# Altium PCB MasterBoard (Trapezoid).PcbDoc (part 2 of 2)
Units mil, origin at the board's own origin, x right, y up, seen from the top; angles counter-clockwise.
Board outline 2846.02 x 5000 mil, 4 copper layers (Top Layer, GROUND, POWER, Bottom Layer), stack 23.756 mil thick; 102 components, 58 nets, 332 pads, 94 vias.
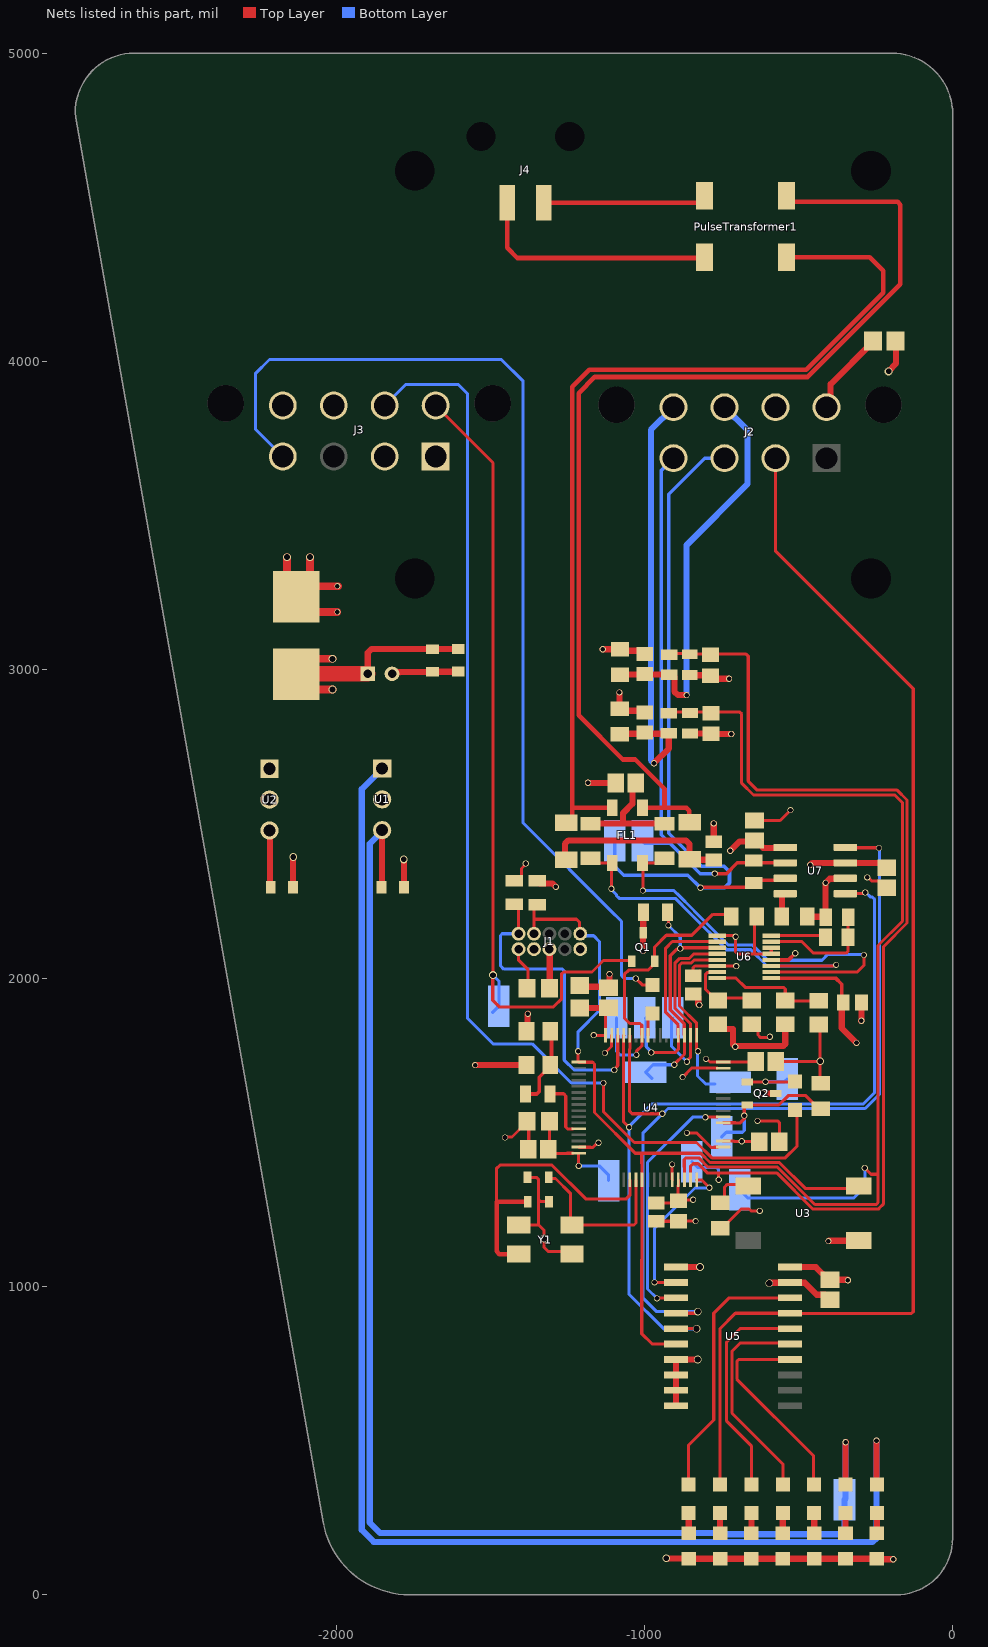
[diagram p4: the nets of this part, all layers, seen from the top]

## Via types
v1: diameter 20, hole 15, Top Layer to Bottom Layer, 78 vias
v2: diameter 25, hole 20, Top Layer to Bottom Layer, 10 vias
v3: diameter 25, hole 18, Top Layer to Bottom Layer, 6 vias

## Nets (pads, with @x,y where several pads share a name; then routed paths per layer and width w, separated by ;. In a path a pad name is that pad's centre, name@x,y a point inside that pad or via, vN(x,y) a via of type N, cw(c..) or ccw(c..) an arc to the next point about the centre after c; other vN are vias at no path point)
12V_Fused: C1.1 C2.1 C4.1 F1.2 R7.2 U1.1 U2.1 | length 5640.4
  Top Layer w10: F1.2@-2178,3034.61 F1.2@-2129,2985.61 ; F1.2@-2165,2949.61 F1.2@-2129,2985.61 ; F1.2@-2080,2936.61 F1.2@-2129,2985.61 ; F1.2@-2079,3035.61 F1.2@-2129,2985.61
  Top Layer w20: C2.1@-1897.37,2987 -1897.37,3055.7 -1885.65,3067.42 C4.1@-1604,3067.42 ; v1(-247,500) -247,358.52 R7.2@-245.48,357
  Top Layer w25: F1.2@-2080,2936.61 v2(-2012,2936.61) ; F1.2@-2079,3035.61 v2(-2012,3035.61)
  Top Layer w50: F1.2@-2126,2987 C2.1@-1897.37,2987
  Bottom Layer w20: U1.1@-1850.29,2680.29 -1850.29,2679.71 -1850.87,2679.71 -1870.27,2660.31 -1870.27,2659.73 -1917,2613 -1917,210 -1878,171 -259.72,171 -247,183.72 v1(-247,500)
AIR_Open_Sig: AIR_OPEN_SIGNAL.1 J3.5 Q1.1 | length 2714.9
  Top Layer w10: J3.5@-1676.94,3857.35 -1491,3671.42 v3(-1491,2010) ; v3@-1492,2010 -1492,1928 -1470.95,1906.95 -1294.55,1906.95 -1268.33,1933.17 -1268.33,2014.14 -1262.47,2020 -1170,2020 -1139,2051 -1139,2051.14 -1133.14,2057 -1043.66,2057 Q1.1@-1041.4,2054.74
  Bottom Layer w10: AIR_OPEN_SIGNAL.1@-1493,1888 AIR_OPEN_SIGNAL.1@-1472,1909 -1472,1991 v3(-1491,2010)
AIRS_Signal_NMOS: "AIR Signal NMOS.1" Q1.2 R16.2 U4.42 | length 953.1
  Top Layer w10: v1(-1026,1751) -1026,1762.35 -1007.78,1780.57 U4.42@-1007.78,1814.35 -1008.45,1815.02 -1008.45,1847.07 -1014.39,1853.01 -1047.15,1853.01 -1065,1870.86 -1065,2012.14 -1051.1,2026.04 -988.41,2026.04 -966.6,2047.85 -966.6,2101.11 -928.71,2139 -846,2139 -778,2207 -731.37,2207 R16.2@-718.37,2194
  Bottom Layer w10: -1090,1871 -1090,1762 -1079,1751 v1(-1026,1751)
CANH: CANH.1 J2.3 R37.2 U7.7 | length 2392.1
  Top Layer w12: v1(-818,2293) -815.84,2293 -813.54,2295.29 -658.09,2295.29 R37.2@-645,2308.39 -635.48,2317.9 -576.14,2317.9 -570.05,2324 U7.7@-543.28,2324
  Bottom Layer w12: CANH.1@-1096,2446 -1096,2363 -1067,2334 -859,2334 v1(-818,2293) -740,2293 -724,2309 -724,2345 -741.87,2362.87 -813.87,2362.87 -921,2470 -921,3570 -804.45,3686.55 J2.3@-740.15,3686.55
CANL: CANL.1 J2.4 R37.1 U7.6 | length 1803.9
  Top Layer w12: v1(-772,2339) -734,2339 -699,2374 -652.61,2374 R37.1@-645,2381.61 -637.39,2374 U7.6@-543.28,2374
  Bottom Layer w12: CANL.1@-1006,2446 -998,2438 -918,2438 ; J2.4@-905.5,3686.55 -905.5,3686.01 -945,3646.51 -945,2465 -918,2438 ; v1(-772,2339) -819,2339 -918,2438
CanRx: U4.44 U5.4 U7.4 | length 2889
  Top Layer w10: U4.44@-1047.15,1814.35 -1047.15,1769.49 -1048.87,1767.77 -1048.87,1682.75 -1047.9,1681.78 -1047.9,1567.9 -1040,1560 v1(-942,1560) ; U5.4@-897,913 -835.73,913 -830.5,918.23 v2(-826.44,918.23) ; U7.4@-348,2424 -347,2423 -240,2423 v1(-239,2422)
  Bottom Layer w10: v2(-826.44,918.23) -960.23,918.23 -1004.87,962.87 -1004.87,1497.13 v1(-942,1560) -940.64,1560 -923.64,1577 -283.79,1577 -238,1622.79 -238,2421 v1(-239,2422)
CanRx_FromBuff: R3.2 U5.16 | length 720
  Top Layer w10: R3.2@-652.84,357 -652.84,482.84 -733,563 -733,820 -690,863 U5.16@-527,863
CanTx: U4.45 U5.5 U7.1 | length 2754.6
  Top Layer w10: U4.45@-1066.83,1814.35 -1067.57,1813.62 -1067.57,1813.24 -1067.57,1534.22 v1(-1049.67,1516.33) ; U5.5@-897,863 -831,863 v2(-830.5,862.5) v2@-830,862 ; U7.1@-348,2274 -290.47,2274 -286.47,2278 v1(-283.76,2278)
  Bottom Layer w10: v1(-1049.67,1516.33) -1049.67,974.67 -937.5,862.5 v2(-830.5,862.5) ; v1@-1047.76,1519.03 -1047.76,1520.94 -1043,1525.71 -1043,1526 -977,1592 -290,1592 -253,1629 -253,2255.64 -260.07,2262.72 -265.77,2262.72 -281.06,2278 v1(-283.76,2278)
CanTx_FromBuff: R4.2 U5.15 | length 702.4
  Top Layer w10: R4.2@-551,357 -551,424 -716,589 -716,790 -690,816 -530,816 U5.15@-527,813
CHANNEL1: C6.1 CHANNEL1.1 R10.1 R11.2 U4.14 | length 3650.6
  Top Layer w10: R11.2@-921,2859.48 -917.48,2863 -854.5,2863 R10.1@-852,2860.5 -849.5,2863 -690.56,2863 -684.7,2857.14 -684.7,2632.7 -646,2594 -188,2594 -163,2569 -163,2185 -242,2106 -242,1364 ; U4.14@-869.98,1345.85 -869.98,1387.1 -870.73,1387.85 -870.73,1411.14 -864.87,1417 -823.43,1417 -793.46,1387.03 -568.24,1387.03 -447.05,1265.84 -247.86,1265.84 -242,1271.7 -242,1364 ; v1(-285,1384) -265,1364 -242,1364
  Bottom Layer w10: CHANNEL1.1@-691,1313 -665,1287 -321,1287 -285,1323 v1(-285,1384)
CHANNEL2: C11.2 CHANNEL2.1 R13.1 R15.2 U4.15 | length 3447.5
  Top Layer w10: R15.2@-919,3049.48 -915.48,3053 -855.5,3053 R13.1@-853,3050.5 -852.5,3051 C11.2@-785,3051 ; U4.15@-850.3,1345.85 -850.97,1346.52 -850.97,1380.59 -851.05,1380.67 -851.05,1388.95 -842,1398 -825.64,1398 -796.24,1368.6 -759,1368.6 ; C11.2@-785,3048.46 C11.2@-785,3051 ; v1(-759,1346) -759,1368.6 ; C11.2@-785,3051 -669.86,3051 -663,3044.14 -663,2639 -634,2610 -180,2610 -148,2578 -148,2178.79 -224,2102.79 -224,1268.49 -239.67,1252.81 -239.67,1250.84 -453.27,1250.84 -571.02,1368.6 -759,1368.6
  Bottom Layer w10: CHANNEL2.1@-846,1405 -827,1386 -766,1386 -759,1379 v1(-759,1346)
ChargeSignal: R35.1 U4.41 | length 77.8
  Top Layer w10: U4.41@-988.09,1814.35 -988.09,1870.15 -988.84,1870.9 R35.1@-974,1885.74
Charging: "Charging Signal.1" Q2.1 R33.1 | length 228.3
  Top Layer w10: Q2.1@-666.26,1663.4 -512.86,1663.4 R33.1@-512,1664.26
  Bottom Layer w10: v1(-607,1664) -546,1664 -537,1673
CS_CHANNEL1: C7.2 J2.8 R9.1 R11.1 | length 1467.5
  Top Layer w20: R9.1@-1080,2790.63 -1078.05,2792.57 -922.95,2792.57 R11.1@-921,2794.52 -921,2744.87 v1(-968.87,2697)
  Bottom Layer w20: v1(-968.87,2697) -979,2707.13 -979,3778.41 J2.8@-905.5,3851.91
CS_CHANNEL2: C10.1 J2.7 R12.1 R15.1 | length 1309
  Top Layer w20: R12.1@-1079,2984.63 -1078.95,2984.57 -919.05,2984.57 R15.1@-919,2984.52 ; R15.1@-909.16,2984.52 -902.43,2977.79 -902.43,2929.72 -890.71,2918 v1(-863,2918)
  Bottom Layer w20: v1(-863,2918) -863,3405 -665,3603 -665,3776.76 J2.7@-740.15,3851.91
GND: C1.2 C2.2 C3.2 C4.2 C5.2 C6.2 C7.1 C8.2 C9.2 C10.2 C11.1 C12.1 C13.1 C14.1 C15.2 C16.1 C17.1 C18.2 C19.1 C20.1 C21.1 C22.1 C23.1 C24.1 C25.1 C26.1 C27.2 C28.2 D1.1 D2.1 D3.1 D4.1 D5.1 D6.1 D7.1 J1.3 J1.5 J1.9 J2.6 J3.7 J3.8 R9.2 R10.2 R12.2 R13.2 R14.1 R16.1 R20.2 R23.2 R25.2 R26.1 R34.1 R36.2 U1.2 U2.2 U3.4 U4.12 U4.18 U4.31 U4.47 U4.63 U5.1 U5.7 U5.8 U5.9 U5.10 U5.19 U6.1 U6.13 U6.14 U7.2 Y1.2 Y1.4 | length 5837
  Top Layer w10: v1(-1452,1483) -1450.09,1484.91 -1429.54,1484.91 -1380.47,1533.98 C15.2@-1380.47,1536 -1375,1530.53 -1375,1446.48 C14.1@-1376.48,1445 ; Y1.4@-1407.61,1199.24 -1342.24,1199.24 ; C28.2@-1378.07,1352.93 -1348.93,1352.93 -1343.07,1347.07 -1343.07,1280.93 ; C27.2@-1309.62,1274.93 -1337.07,1274.93 -1343.07,1280.93 ; Y1.2@-1232.14,1107 Y1.2@-1234.39,1104.76 -1242.63,1113 -1311,1113 -1326,1128 v2(-1326,1155.5) -1326,1183 -1342.24,1199.24 ; U4.63@-1212.5,1452.15 -1211.83,1451.48 -1175.38,1451.48 -1174.94,1451.05 -1166.66,1451.05 -1151.71,1466 v1(-1149,1466) ; v1(-1128,1757) -1106.87,1778.13 -1106.87,1813.69 U4.47@-1106.2,1814.35 ; C16.1@-961,1211.47 -890.06,1211.47 C17.1@-890,1211.54 -889.54,1212 v1(-834,1212) ; v1(-910.1,1395.9) -910.1,1370.9 -910.02,1370.82 -910.02,1346.52 U4.12@-909.35,1345.85 ; v1(-876,1679) -846.94,1708.06 U4.31@-762.62,1708.06 ; v1(-862,1498) -831,1498 -784.05,1451.05 -774.05,1451.05 -773.61,1451.48 U4.18@-762.62,1451.48 ; U6.1@-763.6,2137.9 -710.6,2137.9 -706.71,2134 v1(-704,2134) -704,2085 -697.84,2078.84 -643.12,2078.84 ; R23.2@-652,1850.57 -631.72,1830.29 -631.72,1815.72 -624.09,1808.09 -594.91,1808.09 v1(-593,1810) ; C24.1@-643,2511.48 -559.52,2511.48 v1(-526,2545) ; R16.1@-635.63,2200 -643.12,2192.51 -643.12,2078.84 ; v1(-633,1537) -567.9,1537 -562.04,1531.14 C12.1@-562.04,1469 ; U6.14@-588.4,2098.53 U6.13@-588.4,2078.84 -643.12,2078.84 ; C13.1@-573.52,1730 -447.62,1730 ; -444.14,1730 -447.61,1730 ; R25.2@-434,1849.57 -430,1845.57 v3(-430,1730) ; R34.1@-428,1659.37 -430,1661.37 v3(-430,1730) ; v1(-277.29,2327) -274.59,2327 -262.68,2315.09 -235.57,2315.09 C23.1@-214,2293.52 ; -1343.07,1280.93 -1343.07,1200.07 -1342.24,1199.24 ; -447.62,1730 v3(-430,1730)
  Top Layer w20: C5.2@-2139.58,2295 -2139.58,2392.42 v3(-2139,2393) ; C2.2@-1818.63,2987 -1813.36,2992.27 -1794.44,2992.27 -1793.13,2993.58 C1.2@-1687,2993.58 -1686.5,2994.08 -1604.5,2994.08 C4.2@-1604,2994.58 ; v3(-1781,2385) -1779.58,2383.58 C3.2@-1779.58,2295 ; v1(-1549,1718) R20.2@-1382.43,1718 R20.2@-1378.43,1718 ; R14.1@-1342.63,2320.76 R14.1@-1348,2315.39 -1339.3,2306.68 -1297.68,2306.68 v1(-1287,2296) ; J1.5@-1308,2094 -1307,2093 -1307,1968 C8.2@-1306,1967 ; C18.2@-1210,1975.47 -1206.51,1971.97 -1129.55,1971.97 -1124.52,1977 C19.1@-1116,1968.48 ; v1(-1183,2634) -1182,2633 C26.1@-1093.48,2633 ; v1(-1135,3067) -1075,3067 R12.2@-1060.88,3081.12 ; C19.1@-1116,1977 -1113,1980 v1(-1113,2013) ; v1(-1081,2927) -1081,2874.37 R9.2@-1080,2873.37 ; R12.2@-1079,3067.37 R12.2@-1074.63,3067.37 ; R9.2@-1073.11,2880.27 -1060.31,2867.47 -1004.9,2867.47 C7.1@-999,2861.57 ; R12.2@-1060.31,3080.47 -1060.31,3063.03 -1059.31,3062.03 -1009.46,3062.03 C10.2@-999,3051.57 ; v3(-929,118) -928.2,117.2 -856.8,117.2 D1.1@-856,116.4 D2.1@-754.33,116.4 D3.1@-652.67,116.4 D4.1@-551,116.4 D5.1@-449.33,116.4 D6.1@-347.67,116.4 D7.1@-246,116.4 -244.6,115 v1(-193,115) ; U5.10@-897,613 U5.9@-897,663 U5.8@-897,713 U5.7@-897,763 v2(-827,763) ; U5.1@-897,1063 U5.1@-897,1063 -819.81,1062.96 v2(-819.78,1062.92) ; R13.2@-853,2983.5 -852.02,2982.52 C11.1@-785.98,2982.52 ; R10.2@-852,2793.5 -851.52,2793.02 -784.48,2793.02 -783.46,2792 v1(-718,2792) ; C22.1@-842,1948.47 -836.09,1948.47 -825.43,1937.8 -825.43,1916.43 v1(-822,1913) ; C11.1@-785,2981.54 C11.1@-785.98,2982.52 ; C25.1@-775,2442.53 v1(-775,2502) ; v1(-725,2971) -774.46,2971 C11.1@-785.98,2982.52 ; v2(-595,1010.5) -593.65,1010.5 -592.15,1012 U5.19@-527,1012 ; U5.19@-527,1013 -526,1012 -480,1012 -441.02,973.02 -414.5,973.02 C20.1@-398,956.52 ; R36.2@-471.3,2200 -470.3,2199 -412.42,2199 R26.1@-412,2198.58 ; R26.1@-411.42,2198 R26.1@-412,2198.58 ; v1(-403,1147) -401.58,1148.42 U3.4@-304.87,1148.42 U3.4@-288,1131.55 ; U7.2@-348,2324 -349.61,2322.39 -398.61,2322.39 v1(-412,2309) R26.1@-412,2198.58 ; v1@-297,1861 v1(-296.24,1861.76) -295.47,1862.53 C21.1@-295.47,1921 ; v3(-208,3968) -208,3969.35 -184,3993.35 -184,4065.45 C9.2@-185.55,4067
HEARTBEAT: R1.2 U5.18 | length 858.5
  Top Layer w10: R1.2@-856.52,357 -856.52,485.48 -775,567 -775,913 -725,963 U5.18@-527,963
HEARTBEAT_BUFF: U4.16 U5.2 | length 532.8
  Top Layer w10: v1@-968.23,1014.23 v1(-967,1013) U5.2@-897,1013 U5.2@-896.77,1013.23 ; U4.16@-830.61,1345.85 -830.61,1345 -814,1345 v1(-789,1320)
  Bottom Layer w10: v1(-967,1013) -967,1188.35 -835.87,1319.48 -789.52,1319.48 v1(-789,1320)
IM: FL1.2 R31.1 U6.10 | length 1330.6
  Top Layer w10: v1(-1005,2284) -1005,2372.65 FL1.2@-1005.79,2373.43 -949.46,2373.43 R31.1@-934,2388.9 ; U6.10@-588.4,2019.79 -309.21,2019.79 -288,2041 v1(-288,2075)
  Bottom Layer w10: v1(-1005,2284) -904,2284 -894,2274 -893.79,2274 -839,2219.21 -839,2219 -727,2107 -648.79,2107 -599.91,2058.13 -500.9,2058.13 -500.77,2058 -424,2058 -405,2077 -297.07,2077 -296.98,2076.91 -289.91,2076.91 v1(-288,2075)
IM_Out_Connector: J4.2 PulseTransformer1.3 | length 534.1
  Top Layer w15: J4.2@-1326.94,4514.65 -824.5,4514.65 -804.5,4534.65 PulseTransformer1.3@-804.5,4538
IP: FL1.1 R29.2 U6.11 | length 1212
  Top Layer w10: R29.2@-1175.46,2388.9 -1159.99,2373.43 FL1.1@-1104.21,2373.43 -1107,2370.65 v1(-1107,2290) ; U6.11@-588.4,2039.47 -388.6,2039.47 -386.98,2041.09 -379.91,2041.09 v1(-378,2043)
  Bottom Layer w10: v1(-1107,2290) -1107,2287.29 -1090.94,2271.24 -1090.94,2267.94 -1082,2259 -900,2259 -854,2213 -854,2212.79 -733.21,2092 -655,2092 -602.47,2039.47 -388.6,2039.47 -386.98,2041.09 -379.91,2041.09 v1(-378,2043)
IP_Out_Connector: J4.1 PulseTransformer1.4 | length 800.7
  Top Layer w15: J4.1@-1445.06,4514.65 -1445.06,4369.06 -1412,4336 -806.5,4336 PulseTransformer1.4@-804.5,4338
MISO: R27.1 TP_MISO.1 U4.35 U6.3 | length 816.3
  Top Layer w10: R27.1@-924.63,2214 -922,2211.37 v1(-922,2171) ; v1(-903,1719) -903,1720.35 -869.98,1753.36 U4.35@-869.98,1814.35 -870.65,1815.02 -870.65,1851.65 -916,1897 -916,2072.64 -894.56,2094.08 -885.49,2094.08 v1(-883.58,2096) ; v1@-883.49,2097.91 -878.96,2097.91 -878.34,2098.53 U6.3@-763.6,2098.53
  Bottom Layer w10: TP_MISO.1@-975,1674 TP_MISO.1@-996,1695 -972,1719 v1(-903,1719) ; v1(-922,2171) -883.58,2132.58 v1(-883.58,2096)
NetC25_2: C25.2 R30.1 R32.2 | length 596.5
  Top Layer w20: R30.1@-1253,2383.92 -1258,2388.92 -1258,2435.28 -1246.28,2447 -865.72,2447 -854,2435.28 -854,2385.92 R32.2@-853,2384.92 -852.28,2384.2 -775.72,2384.2 C25.2@-775,2383.47
NetC26_2: C26.2 R29.1 R31.2 | length 390.1
  Top Layer w20: R29.1@-1175.46,2501.1 -1068.9,2501.1 ; C26.2@-1028.52,2633 -1039.09,2622.43 -1039.09,2565.49 -1068.9,2535.69 -1068.9,2501.1 ; R31.2@-934,2501.1 -1068.9,2501.1
"NetCharging Signal NMOS_1": "Charging Signal NMOS.1" Q2.2 R34.2 U4.22 | length 523.4
  Top Layer w10: U4.22@-744,1530.89 -705.18,1530.89 -704.08,1529.79 -690.21,1529.79 -676,1544 v1(-676,1554) -676,1582.74 -670.14,1588.6 Q2.2@-666.26,1588.6 -564,1588.6 -533.6,1619 -476.31,1619 -433.94,1576.63 R34.2@-428,1576.63
  Bottom Layer w10: -749,1485 -734,1500 -681.86,1500 -676,1505.86 v1(-676,1554)
NetD1_2: D1.2 R1.1 | length 65.6
  Top Layer w20: R1.1@-856.52,264.48 -856.26,264.22 -856.26,199.34 D1.2@-856,199.08
NetD2_2: D2.2 R2.1 | length 65.5
  Top Layer w20: R2.1@-754.68,264.48 -754.51,264.31 -754.51,199.25 D2.2@-754.33,199.08
NetD3_2: D3.2 R3.1 | length 65.5
  Top Layer w20: R3.1@-652.84,264.48 -652.75,264.39 -652.75,199.16 D3.2@-652.67,199.08
NetD4_2: D4.2 R4.1 | length 65.4
  Top Layer w20: D4.2@-551,199.08 R4.1@-551,264.48
NetD5_2: D5.2 R5.1 | length 65.5
  Top Layer w20: D5.2@-449.33,199.08 -449.25,199.16 -449.25,264.39 R5.1@-449.16,264.48
NetD6_2: D6.2 R6.1 | length 65.5
  Top Layer w20: D6.2@-347.67,199.08 -347.49,199.25 -347.49,264.31 R6.1@-347.32,264.48
NetD7_2: D7.2 R7.1 | length 65.6
  Top Layer w20: D7.2@-246,199.08 -245.74,199.34 -245.74,264.22 R7.1@-245.48,264.48
NetF1_1: F1.1 J3.1 J3.2 | length 625.9
  Top Layer w10: F1.1@-2080.21,3187.61 F1.1@-2129,3236.39 ; F1.1@-2129,3236.39 -2129,3259.61 -2171,3301.61 -2171,3278.39 F1.1@-2129,3236.39
  Top Layer w25: F1.1@-2171,3301.61 -2164.75,3301.61 -2159,3307.36 v2(-2159,3365.61) ; F1.1@-2129,3236.39 -2093.79,3271.61 v1@-1994,3271.61 ; F1.1@-2085,3280.39 v2(-2085,3365.61) ; F1.1@-2080.21,3187.61 v1(-1996,3187.61)
  other v1: -1996,3271.61
NetFL1_3: FL1.3 PulseTransformer1.2 R32.1 | length 3507.8
  Top Layer w10: R32.1@-854,2506.08 R32.1@-853,2505.08
  Top Layer w15: FL1.3@-1005.79,2552.57 -934.68,2552.57 ; R32.1@-854,2506.08 -854,2543 -863.57,2552.57 -934.68,2552.57 ; PulseTransformer1.2@-539.5,4538 -519.5,4518 -178.79,4518 -170,4509.21 -170,4250.22 -470.11,3950.11 -1160.89,3950.11 -1213.51,3897.49 -1213.51,2853.02 -1069.69,2709.2 -1029.96,2709.2 -934.68,2613.92 -934.68,2552.57
NetFL1_4: FL1.4 PulseTransformer1.1 R30.2 | length 3090
  Top Layer w10: R30.2@-1253,2504.08 R30.2@-1250.08,2507
  Top Layer w15: R30.2@-1250.08,2507 -1249.79,2507 -1233.51,2523.28 -1233.51,2552.57 ; FL1.4@-1104.21,2552.57 -1233.51,2552.57 ; PulseTransformer1.1@-539.5,4338 -269,4338 -225,4294 -225,4223.51 -474.75,3973.75 -1178.25,3973.75 -1233.51,3918.49 -1233.51,2552.57
NetJ3_4: J3.4 R35.2 | length 3401.5
  Top Layer w10: v1(-1028,1999) -1007.26,1978.26 R35.2@-974,1978.26 R35.2@-970,1982.26
  Bottom Layer w10: J3.4@-2173,3692 -2262,3781 -2262,3961 -2216,4007 -1464,4007 -1393.12,3936.12 -1393.12,2503.12 -1094,2204 -1093.86,2204 -1074,2184.14 -1074,2008 -1065,1999 v1(-1028,1999)
NetJ3_6: J3.6 R33.2 | length 3780.2
  Top Layer w10: v1(-1133,1660) -1133,1567.3 -1032.65,1466.95 -830.95,1466.95 -781.03,1417.03 -542.78,1417.03 -505.64,1454.17 -505.64,1565.38 R33.2@-512,1571.74
  Bottom Layer w10: J3.6@-1842.29,3857.35 -1774.65,3925 -1603,3925 -1574,3896 -1574,1870 -1491,1787 -1364,1787 -1237,1660 v1(-1133,1660)
NetR17_1: R17.1 U3.1 | length 139.3
  Top Layer w10: R17.1@-754,1271.37 -740,1285.37 -740,1322 -731,1331 -668.55,1331 U3.1@-663.13,1325.58
NetR18_1: R18.1 U4.60 | length 182.8
  Top Layer w10: R18.1@-1306.63,1624 -1305.63,1625 -1262.03,1625 -1255,1617.97 -1255,1517.13 -1247.97,1510.1 -1239.69,1510.1 -1239.25,1510.54 U4.60@-1231.13,1510.54
NetR18_2: R18.2 R19.1 R20.1 | length 260.1
  Top Layer w12: R18.2@-1385.37,1624 -1349.26,1624 -1340.77,1632.49 -1340.77,1678.82 R20.1@-1301.59,1718 ; R19.1@-1302,1828 -1301.57,1827.57 R20.1@-1301.57,1718
NetR21_1: R21.1 R26.2 U6.15 | length 378.2
  Top Layer w10: U6.15@-588.4,2118.21 -488.61,2118.21 -451.4,2081 -345.44,2081 -339.58,2086.86 -339.58,2197 R26.2@-338.58,2198
NetR21_2: R21.2 U6.16 | length 178.4
  Top Layer w10: U6.16@-588.4,2137.9 -418.31,2137.9 R21.2@-412.42,2132
NetR22_1: R22.1 R23.1 U6.7 | length 261.4
  Top Layer w10: U6.7@-763.6,2019.79 -765.49,2017.9 -796.28,2017.9 -802.14,2012.04 -802.14,1964.59 -764.98,1927.43 R22.1@-761,1927.43 -753,1935.43 -660,1935.43 R23.1@-652,1927.43
NetR24_1: R24.1 R25.1 U6.8 | length 381.6
  Top Layer w10: U6.8@-763.6,2000.1 -703.1,2000.1 -673,1970 -548.86,1970 -543,1964.14 R24.1@-543,1927.43 -542,1926.43 R25.1@-434,1926.43
NetR36_1: R36.1 U7.8 | length 83.8
  Top Layer w20: R36.1@-554.04,2200 -554.04,2272.39 -552.43,2274 U7.8@-543.28,2274
NetTP_CS_1: TP_CS.1 U4.33 U6.5 | length 581.7
  Top Layer w10: v1(-826,1763) -826,1765.71 -830.61,1770.32 -830.61,1854.04 -886,1909.43 -886,2042.14 -878.93,2049.21 -847.61,2049.21 -837.67,2059.16 U6.5@-763.6,2059.16
  Bottom Layer w10: v1(-826,1763) -827.65,1761.35 -827.65,1682.69 -801.96,1657 TP_CS.1@-771,1657
NetTP_MOSI_1: TP_MOSI.1 U4.36 U6.2 | length 734.1
  Top Layer w10: v1(-978,1759) -899.86,1759 -889.67,1769.19 U4.36@-889.67,1814.35 -890.34,1815.02 -890.34,1848.34 -931,1889 -931,2096.99 -909.12,2118.87 -764.26,2118.87 U6.2@-763.6,2118.21
  Bottom Layer w10: TP_MOSI.1@-997,1871 -994,1868 -994,1777.71 -978,1761.71 v1(-978,1759)
NetTP_SCK_1: TP_SCK.1 U4.34 U6.4 | length 659
  Top Layer w10: v1@-863,1729 -863,1730.71 -857,1736.71 -850.52,1743.19 -850.52,1759.12 -850.3,1759.34 U4.34@-850.3,1814.35 -850.76,1814.82 -850.76,1852.98 -901,1903.21 -901,2048.36 -885.14,2064.21 -853.83,2064.21 -839.2,2078.84 U6.4@-763.6,2078.84
  Bottom Layer w10: TP_SCK.1@-908,1870 -912,1866 -912,1779 v1(-862,1729)
OSC_IN: C27.1 U4.5 Y1.1 | length 1038.7
  Top Layer w10: -1476,1275.21 -1480,1279.21 -1480,1382 -1468,1394 -1300,1394 -1189,1283 -1060,1283 -1047.15,1295.85 U4.5@-1047.15,1345.85
  Top Layer w15: -1476,1275.21 -1435.27,1275.21 ; Y1.1@-1407.61,1104.76 -1470.21,1104.76 -1479,1113.54 -1479,1275 -1435.27,1275 -1378.59,1275 C27.1@-1378.52,1274.93 -1378.52,1280.83 C27.1@-1383.82,1286.13
OSC_OUT: C28.1 U4.6 Y1.3 | length 546.4
  Top Layer w10: C28.1@-1310.17,1353.93 -1306.48,1350.24 -1288.24,1350.24 -1239,1301 -1239,1203.86 Y1.3@-1234.39,1199.24 -1034.07,1199.24 -1027.46,1205.85 U4.6@-1027.46,1345.85
RESET: J1.4 J1.10 R14.2 U3.2 U4.7 U4.49 U5.6 | length 2670.5
  Top Layer w10: J1.4@-1358,2144 -1358,2185.14 ; R14.2@-1348,2238.61 -1358,2228.61 -1358,2185.14 ; v1(-1215,1763) -1215,1728.41 -1214.33,1727.74 U4.49@-1212.5,1727.74 -1212.07,1727.31 -1167.86,1727.31 -1162,1721.45 -1162,1564 -1030,1432 -1008.53,1432 ; J1.10@-1208,2144 -1210.5,2146.5 -1210.5,2181.5 -1220,2191 -1352.14,2191 -1358,2185.14 ; U5.6@-897,813 -975,813 -1008.53,846.53 -1008.53,1086.84 -1007.78,1087.59 -1007.78,1397.53 -1008.53,1398.28 -1008.53,1432 ; U3.2@-304.87,1325.58 -313.45,1317 -477,1317 -562.03,1402.03 -787.24,1402.03 -817.21,1432 -1008.53,1432
  Bottom Layer w10: v1(-1215,1763) -1215,1826 -1146,1895 -1146,2119 -1164.5,2137.5 -1201.5,2137.5 J1.10@-1208,2144
RESET_FromBuff: R5.2 U5.14 | length 679.5
  Top Layer w10: U5.14@-527,763 -694.14,763 -700,757.14 -700,699.14 -451,450.14 -451,358.84 R5.2@-449.16,357
SHUTDOWN: J2.2 R2.2 U5.17 | length 4110.2
  Top Layer w10: R2.2@-754.68,357 -754.68,863.11 -704.79,913 -661,913 U5.17@-527,913 -526,912 -133.86,912 -128,917.86 -128,2939 -575,3386 -575,3686.34 J2.2@-574.79,3686.55
SHUTDOWN_BUFF: U4.23 U5.3 | length 805.2
  Top Layer w10: v1(-959.23,961.23) -958.35,962.12 -897.88,962.12 U5.3@-897,963 ; v1(-802,1549) -801.76,1549.24 -774,1549.24 -773.33,1549.91 U4.23@-762.62,1549.91
  Bottom Layer w10: v1(-959.23,961.23) -989.87,991.87 -989.87,1402.47 -843.35,1549 v1(-802,1549)
SWDIO: J1.2 R8.1 U4.46 | length 1060.3
  Top Layer w10: R8.1@-1422,2239.61 R8.1@-1412.35,2239.61 ; J1.2@-1408,2144 R8.1@-1408,2239.61 ; v1(-1098,1702) -1098,1704.71 -1086.52,1716.19 U4.46@-1086.52,1814.35
  Bottom Layer w10: J1.2@-1408,2144 -1461.14,2144 -1467,2138.14 -1467,2040 -1456,2029 -1265.86,2029 -1260,2023.14 -1260,1734 -1228,1702 v1(-1098,1702)
VCC_3.3V: C5.1 C8.1 C12.2 C13.2 C14.2 C15.1 C16.2 C17.2 C18.1 C19.2 C22.2 C24.2 J1.1 Q1.3 Q2.3 R8.2 R17.2 R19.2 R27.2 U2.3 U4.13 U4.19 U4.32 U4.48 U4.64 U6.6 U7.5 VCC_3.3V.1 | length 2244
  Top Layer w10: R8.2@-1422,2316.39 -1412.16,2316.39 -1398.46,2330.09 -1398.46,2355.84 -1385,2369.29 v1(-1385,2372) ; J1.1@-1408,2094 -1408,2058 -1377,2027 -1377,1970.47 C8.1@-1380.47,1967 ; C15.1@-1307.53,1536 -1307.53,1448.99 C14.2@-1311.52,1445 -1297.65,1431.13 -1251.87,1431.13 -1251.13,1431.87 U4.64@-1231.13,1431.87 ; U4.64@-1213.25,1431.8 -1213.25,1391.25 v1(-1213,1391) ; v1(-1164.07,1815.13) -1163.3,1814.35 U4.48@-1125.89,1814.35 -1125.89,1892.13 -1126.64,1892.88 -1116.49,1903.03 C19.2@-1116,1903.52 ; C16.2@-961,1270.53 -897.94,1270.53 C17.2@-887.46,1281 ; U4.13@-889.67,1345.85 -889.67,1327.9 -890.42,1327.15 -890.42,1283.95 C17.2@-887.46,1281 ; v1(-842,1281) C17.2@-887.46,1281 ; C22.2@-822.16,2023.2 -837.83,2007.53 C22.2@-842,2007.53 -842,2033.61 -836.14,2039.47 U6.6@-763.6,2039.47 -702.47,2039.47 v1(-702,2039) ; v1(-800,1738) -797.29,1738 -787.03,1727.74 -640.74,1727.74 C13.2@-638.48,1730 ; R17.2@-754,1188.63 -748.06,1188.63 -685.69,1251 -660.2,1251 -654.2,1245 v1(-626,1245) ; U4.19@-744,1471.83 -743.33,1471.17 -709.7,1471.17 -709.27,1470.73 -628.73,1470.73 C12.2@-627,1469
  Top Layer w20: U2.3@-2216,2479 -2214.21,2477.21 -2214.21,2296.79 C5.1@-2212.42,2295 ; R19.2@-1378.86,1828 -1378.86,1883.14 v1@-1377,1885 ; C18.1@-1210,1902.53 -1209.51,1903.03 C19.2@-1116.49,1903.03 ; C19.2@-1126.64,1892.88 C19.2@-1116,1903.52 ; v1(-1004,2088) Q1.3@-1004,2147.26 -1003.68,2147.57 -1003.68,2213.69 R27.2@-1003.37,2214 ; v1(-721.73,2413.27) -691.8,2443.2 -646.32,2443.2 C24.2@-643,2446.52 ; C24.2@-639.06,2446.52 -614.93,2422.39 U7.5@-543.28,2422.39 ; v1(-617,1627) -616,1626 Q2.3@-573.74,1626
  Bottom Layer w10: v1(-1213,1391) -1146.04,1391 -1116,1360.96 VCC_3.3V.1@-1116,1343
  other v1: -684.27,1470.73 -1377.93,1884.07
VCC_5V: C3.1 C9.1 C20.2 C21.2 C23.2 J2.5 R6.2 R22.2 R24.2 U1.3 U5.20 U6.9 U6.12 U7.3 VCC_5V.1 | length 6061.7
  Top Layer w12: U6.9@-588.4,2000.1 -380.1,2000.1 -360,1980 C21.2@-360,1915.53 ; U6.12@-588.4,2059.16 -532.22,2059.16 v1(-510.38,2081)
  Top Layer w20: C3.1@-1852.42,2295 -1851.5,2295.92 -1851.5,2479.08 U1.3@-1850.58,2480 ; R22.2@-761,1850.57 -745.29,1834.86 -712.9,1834.86 -712.9,1784.95 v1(-705.48,1777.52) -703,1780 -549.02,1780 -543,1786.02 R24.2@-543,1850.57 ; U5.20@-527,1063 -443.46,1063 -401.94,1021.48 C20.2@-398,1021.48 -341.48,1021.48 v1(-340,1020) ; v1(-462,2367) -455,2374 U7.3@-348,2374 -229.52,2374 C23.2@-214,2358.48 ; J2.5@-409.44,3851.91 -396.27,3865.08 -396.27,3927.18 -258.45,4065 C9.1@-258.45,4067 ; C21.2@-354.53,1921 -360,1915.53 -360,1838 v1(-312,1790) ; R6.2@-347.32,357 v1(-347.32,494.68) v1@-347,495
  Bottom Layer w20: U1.3@-1850.58,2480 -1850.58,2476.43 -1891,2436.01 -1891,234 -1857,200 -741,200 -737,196 -364,196 -351,209 VCC_5V.1@-351,308 -347.32,311.68 v1(-347.32,494.68)
pads on no net: J1.6 J1.7 J1.8 J2.1 J2.M1 J2.M2 J3.3 J3.M1 J3.M2 J4. U3.3 U4.1 U4.2 U4.3 U4.4 U4.8 U4.9 U4.10 U4.11 U4.17 U4.20 U4.21 U4.24 U4.25 U4.26 U4.27 U4.28 U4.29 U4.30 U4.37 U4.38 U4.39 U4.40 U4.43 U4.50 U4.51 U4.52 U4.53 U4.54 U4.55 U4.56 U4.57 U4.58 U4.59 U4.61 U4.62 U5.11 U5.12 U5.13

## Polygon pours and split planes (outlines as drawn)
GND on GROUND (split plane): -185.42,4979.62 -173.89,4978.48 -162.47,4976.59 -151.19,4973.96 -140.1,4970.6 -129.26,4966.52 -118.72,4961.74 -108.5,4956.28 -98.67,4950.17 -89.25,4943.42 -80.3,4936.07 -71.84,4928.16 -63.93,4919.7 -56.58,4910.75 -49.83,4901.33 -43.72,4891.5 -38.26,4881.28 -33.48,4870.74 -29.4,4859.9 -26.04,4848.81 -23.41,4837.53 -21.52,4826.11 -20.38,4814.58 -20.03,4803.7 -20.1,4803 -20.1,183 -20.03,182.36 -20.36,172.33 -21.41,161.72 -23.14,151.2 -25.57,140.81 -28.66,130.61 -32.42,120.62 -36.82,110.91 -41.85,101.5 -47.48,92.45 -53.69,83.78 -60.46,75.53 -67.75,67.75 -75.53,60.46 -83.78,53.69 -92.45,47.48 -101.5,41.85 -110.91,36.82 -120.62,32.42 -130.61,28.66 -140.81,25.57 -151.2,23.14 -161.72,21.41 -172.33,20.36 -182.36,20.03 -183,20.1 -1761.98,20.1 -1762.68,20.03 -1775.78,20.37 -1789.54,21.45 -1803.23,23.26 -1816.8,25.77 -1830.22,28.99 -1843.46,32.91 -1856.47,37.52 -1869.23,42.81 -1881.69,48.75 -1893.82,55.33 -1905.59,62.55 -1916.96,70.37 -1927.91,78.77 -1938.41,87.74 -1948.42,97.24 -1957.93,107.25 -1966.89,117.75 -1975.3,128.7 -1983.11,140.08 -1990.33,151.85 -1996.91,163.98 -2002.86,176.44 -2008.14,189.19 -2012.75,202.2 -2016.67,215.44 -2019.89,228.86 -2021.55,237.83 -2021.56,237.89 -2825.39,4794.79 -2825.65,4797.42 -2826.02,4808.67 -2825.65,4819.92 -2824.55,4831.13 -2822.72,4842.24 -2820.16,4853.2 -2816.89,4863.98 -2812.92,4874.51 -2808.28,4884.77 -2802.97,4894.7 -2797.02,4904.26 -2790.47,4913.41 -2783.32,4922.11 -2775.63,4930.33 -2767.41,4938.03 -2758.71,4945.17 -2749.55,4951.73 -2739.99,4957.67 -2730.06,4962.98 -2719.81,4967.63 -2709.27,4971.59 -2698.5,4974.86 -2687.53,4977.42 -2676.42,4979.25 -2669.83,4979.9 -197,4979.9 -196.3,4979.97
NetF1_1 on POWER (split plane): -1605.1,3735.89 -1605.1,3171.11 -1658.11,3118.1 -2374.9,3118.1 -2374.9,3511.89 -2306.89,3579.9 -1970,3579.9 -1968.05,3580.29 -1966.4,3581.4 -1912.4,3635.4 -1911.29,3637.05 -1910.9,3639 -1910.9,3732.89 -1880.89,3762.9 -1632.11,3762.9
VCC_3.3V on POWER (split plane): -1967.1,2528.89 -1967.1,2264 -1966.71,2262.05 -1965.6,2260.4 -1909.46,2204.25 -1907.6,2202.4 -1905.95,2201.29 -1904,2200.9 -1593,2200.9 -1591.05,2201.29 -1589.4,2202.4 -1485.4,2306.4 -1258.89,2532.9 -583.1,2532.9 -583.1,1958.1 -756,1958.1 -757.95,1957.71 -759.6,1956.6 -760.71,1954.95 -761.1,1953 -761.1,1668 -760.71,1666.05 -759.6,1664.4 -757.95,1663.29 -756,1662.9 -515.1,1662.9 -515.1,899.11 -531.11,883.1 -1443.89,883.1 -1483.39,922.6 -1483.4,922.6 -1610.9,1050.11 -1610.9,1479 -1611.29,1480.95 -1612.4,1482.6 -2354.9,2225.11 -2354.9,2557.9 -1996.11,2557.9
12V_Fused on POWER (split plane): -1595.6,3096.4 -1544.1,3044.89 -1544.1,2755.11 -1724.11,2575.1 -2335.89,2575.1 -2374.9,2614.11 -2374.9,3096.9 -1595.94,3096.9
VCC_5V on POWER (split plane): -185.42,4979.62 -173.89,4978.48 -162.47,4976.59 -151.19,4973.96 -140.1,4970.6 -129.26,4966.52 -118.72,4961.74 -108.5,4956.28 -98.67,4950.17 -89.25,4943.42 -80.3,4936.07 -71.84,4928.16 -63.93,4919.7 -56.58,4910.75 -49.83,4901.33 -43.72,4891.5 -38.26,4881.28 -33.48,4870.74 -29.4,4859.9 -26.04,4848.81 -23.41,4837.53 -21.52,4826.11 -20.38,4814.58 -20.03,4803.7 -20.1,4803 -20.1,183 -20.03,182.36 -20.36,172.33 -21.41,161.72 -23.14,151.2 -25.57,140.81 -28.66,130.61 -32.42,120.62 -36.82,110.91 -41.85,101.5 -47.48,92.45 -53.69,83.78 -60.46,75.53 -67.75,67.75 -75.53,60.46 -83.78,53.69 -92.45,47.48 -101.5,41.85 -110.91,36.82 -120.62,32.42 -130.61,28.66 -140.81,25.57 -151.2,23.14 -161.72,21.41 -172.33,20.36 -182.36,20.03 -183,20.1 -1761.98,20.1 -1762.68,20.03 -1775.78,20.37 -1789.54,21.45 -1803.23,23.26 -1816.8,25.77 -1830.22,28.99 -1843.46,32.91 -1856.47,37.52 -1869.23,42.81 -1881.69,48.75 -1893.82,55.33 -1905.59,62.55 -1916.96,70.37 -1927.91,78.77 -1938.41,87.74 -1948.42,97.24 -1957.93,107.25 -1966.89,117.75 -1975.3,128.7 -1983.11,140.08 -1990.33,151.85 -1996.91,163.98 -2002.86,176.44 -2008.14,189.19 -2012.75,202.2 -2016.67,215.44 -2019.89,228.86 -2021.55,237.83 -2021.56,237.89 -2825.39,4794.79 -2825.65,4797.42 -2826.02,4808.67 -2825.65,4819.92 -2824.55,4831.13 -2822.72,4842.24 -2820.16,4853.2 -2816.89,4863.98 -2812.92,4874.51 -2808.28,4884.77 -2802.97,4894.7 -2797.02,4904.26 -2790.47,4913.41 -2783.32,4922.11 -2775.63,4930.33 -2767.41,4938.03 -2758.71,4945.17 -2749.55,4951.73 -2739.99,4957.67 -2730.06,4962.98 -2719.81,4967.63 -2709.27,4971.59 -2698.5,4974.86 -2687.53,4977.42 -2676.42,4979.25 -2669.83,4979.9 -197,4979.9 -196.3,4979.97

## Other copper
POWER (plane layer: these items are gaps in the copper):
  lines w10: -2380,2612 -2380,3102 -1592,3102 -1592,3100 -1539,3047 -1539,2753 -1722,2570 -2338,2570 -2380,2612 ; -2380,3113 -1656,3113 -1600,3169 -1600,3738 -1630,3768 -1883,3768 -1916,3735 -1916,3639 -1970,3585 -2309,3585 -2380,3514 -2380,3113 ; -2360,2223 -1616,1479 -1616,1048 -1487,919 -1446,878 -529,878 -510,897 -510,1668 -756,1668 -756,1953 -578,1953 -578,2538 -1261,2538 -1489,2310 -1593,2206 -1904,2206 -1905.86,2207.86 -1962,2264 -1962,2531 -1994,2563 -2360,2563 -2360,2223

## Silkscreen, mask and mechanical layers (free items; w line width, h text height)
Top Overlay:
  drawing of 18 lines, arcs and shapes, not listed
  text "NAME: MASTER BOARD" at -1760.02,206.72 h60
  text "DATE : 11/30/2021" at -1760.02,153.29 h60
  text "CAR   :  F30" at -1760.02,99.8 h60

## Text inside footprints (layer, text, board x,y; h text height)
C2: Top Overlay "+" at -2013.35,2956.49 h60
J1: Top Overlay "2" at -1514.02,2126.01 h50; Top Overlay "1" at -1514.02,2061.99 h50; Mechanical 13 "2" at -1514.02,2126.01 h50; Mechanical 13 "1" at -1514.02,2061.99 h50